# Allegro board P2597_B04_Allegro_layout.brd (continued)
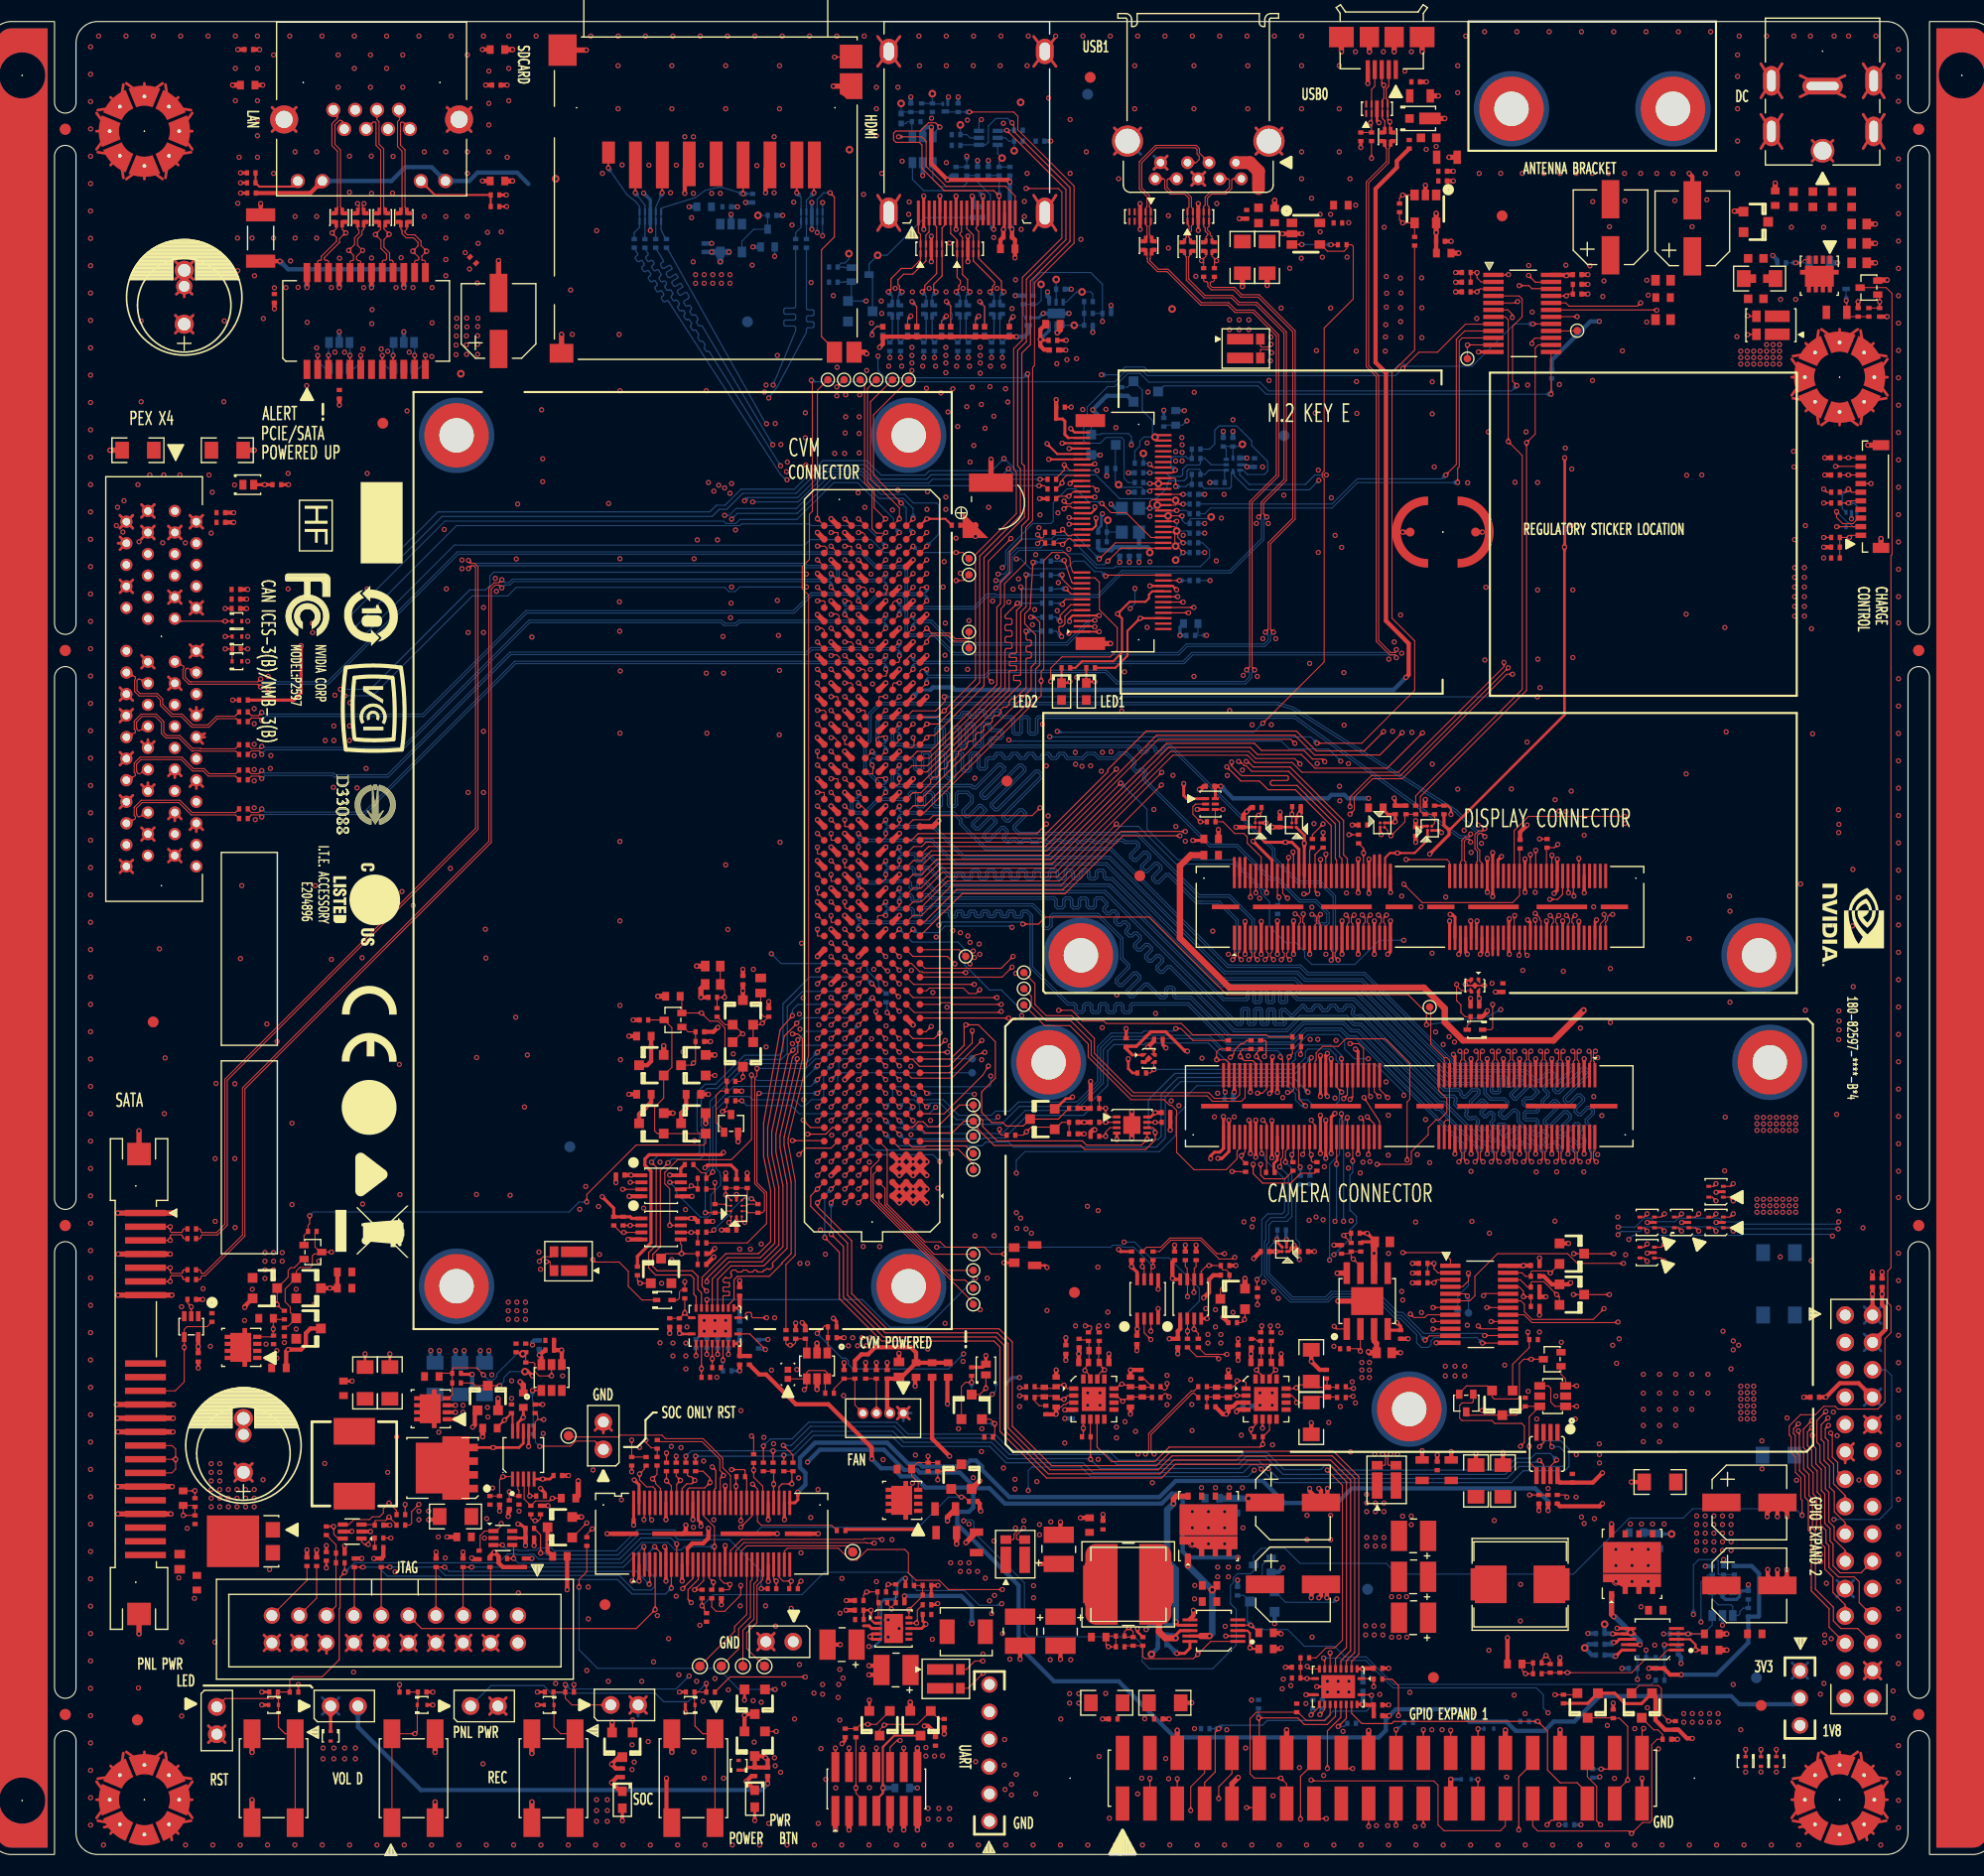
[diagram p0: board, top side]
## Routing (per net, layer and track width the routed paths; a pad name or vN(x,y) marks a point on that pad's centre or on a via; arc(x,y) is an arc through that point) (continued)
BUCK_IO_SNUB: length 2.7
  BOTTOM w0.3: v2(156.22,29.76) R512.2
  BOTTOM w0.6: R512.2 154.92,29.88 C503.1
BUCK_IO_VREG: length 3.3
  TOP w0.2: C171.1 v1(158.45,18.98) 158.45,19.48 157.95,19.98 U31.3
BUCK_IO_VSW: length 2.4
  TOP w0.28: v1(150.85,19.69) 151.08,19.69 151.37,19.98 U31.8
  BOTTOM w0.4: C504.2 150.69,19.52 v1(150.85,19.69)
  vias: v1(151.05,28.33) v1(151.05,26.83) v1(152.55,28.33) v1(152.55,26.83) v1(154.05,28.33) v1(154.05,26.83)
BUCK_LSDR: length 16
  TOP w0.28: v1(110.16,21.6) 110.14,21.58 110.14,21.51 110.37,21.28 U16.7
  TOP w0.5: Q23.6 110.2,33.27 109.95,33.01 v1(109.95,32.57)
  BOTTOM w0.4: R535.1 109.97,21.28 110.14,21.45 110.14,21.58 v1(110.16,21.6)
  BOTTOM w0.6: v1(110.16,21.6) 110.16,26.46 109.36,27.26 109.36,31.98 v1(109.95,32.57)
BUCK_SNUB: length 2.7
  BOTTOM w0.6: C508.1 114.3,33.05 R533.2 v2(116.92,33.05)
BUCK_VREG: length 3.5
  TOP w0.2: U16.3 116.82,20.78 117.05,20.55 v1(117.05,19.18) 117.15,19.08 C120.1
BUCK_VSW: length 9.2
  TOP w0.28: U16.8 110.57,20.78 110.16,20.37 v1(110.16,20.08)
  TOP w0.6: L9.1 108.6,24.98 108.6,20.68 109.2,20.08 v1(110.16,20.08)
  BOTTOM w0.4: v1(110.16,20.08) 109.86,20.38 C513.2
  vias: v1(111.7,31.83) v1(111.7,30.33) v1(113.2,31.83) v1(113.2,30.33) v1(114.7,31.83) v1(114.7,30.33)
CAM0_MCLK: length 57
  TOP w0.1: v1(122.22,69.5) 121.6,70.13 J22.91 ; J13.F9 v1(79.41,70.67)
  L4 w0.1: v1(79.41,70.67) 79.92,71.18 81.05,71.18 82.05,70.18 87.96,70.18 94.88,63.26 v1(95.35,63.26)
  BOTTOM w0.1: v1(95.35,63.26) 95.35,64.45 96.15,65.25 108.65,65.25 110.14,66.74 110.14,68.53 111.06,69.45 111.06,70.31 112.13,71.38 120.52,71.38 121.29,70.61 121.29,70.04 121.82,69.5 v1(122.22,69.5)
CAM0_PWDN: length 61
  TOP w0.1: J22.93 121.1,71 120.86,70.75 v1(120.55,70.75) ; J13.G8 v1(78.14,69.4)
  L3 w0.1: v1(91.05,82.68) 90.65,83.08 89.45,83.08 86.42,80.05 84.24,80.05 83.42,79.23 82.55,79.23 81.85,78.53 81.85,78.45 81.35,77.95 81.35,75.48 80.85,74.98 80.68,74.98 80.68,74.98 78.93,74.98 78.74,74.79 78.74,74.23 78.29,73.78 78.05,73.78 77.55,73.28 77.55,69.99 v1(78.14,69.4)
  L4 w0.1: v1(91.05,82.68) 93.55,80.18 94.87,80.18 94.87,80.18 95.12,80.18 99.35,75.95 100.67,75.95 105.17,71.45 119.85,71.45 v1(120.55,70.75)
CAM0_RST_L: length 63.3
  TOP w0.1: v1(121.75,74.28) 121.8,74.33 R207.1 R206.1 ; 77.5,70.03 v1(76.87,69.4)
  L3 w0.1: v1(76.87,69.4) 77.35,69.88 77.35,73.36 77.97,73.98 78.21,73.98 78.54,74.31 78.54,74.87 78.85,75.18 80.77,75.18 81.15,75.56 81.15,78.03 81.65,78.53 81.65,78.61 82.47,79.43 83.34,79.43 84.17,80.26 86.35,80.26 89.37,83.28 v1(91.45,83.28)
  L4 w0.1: v1(121.75,74.28) 121,73.53 118.47,73.53 116.72,71.78 105.36,71.78 102.75,74.39 102.75,74.39 100.93,76.21 99.5,76.21 95.32,80.38 94.78,80.38 94.78,80.38 93.63,80.38 91.47,82.55 91.45,82.65 v1(91.45,83.28)
CAM1_MCLK: length 56.3
  TOP w0.111: v1(117.35,64.08) 117.35,63.21 118.23,62.33 120.85,62.33 121.77,63.25 123.05,63.25 R209.2 ; J13.F8 v1(79.41,69.4)
  L3 w0.12: v1(117.35,64.08) 116.81,63.54 116.81,59.04 v1(116.5,58.73)
  L4 w0.12: v1(116.5,58.73) 114.99,58.73 114.25,59.47 104.08,59.47 103.36,58.74 99.03,58.74 95.82,61.95 94.74,61.95 88.09,68.59 80.22,68.59 v1(79.41,69.4)
CAM1_MCLK_R: length 2.8
  TOP w0.111: J22.88 122.6,65.13 v1(122.75,64.98) 122.75,64.41 122.88,64.28 R209.1
CAM1_PWDN: length 58.2
  TOP w0.1: v1(121.95,65) 122.1,65.14 J22.90
  TOP w0.111: J13.F7 v1(79.41,68.13)
  L3 w0.1: v1(122.55,58.88) 122.55,59.65 122.84,59.94 122.84,63.45 123.04,63.66 123.04,64.22 122.82,64.43 122.5,64.43 121.95,64.98 v1(121.95,65)
  L4 w0.1: v1(122.55,58.88) 122.36,59.07 118.7,59.07 117.44,57.81 115.02,57.81 113.99,58.84 104.35,58.84 103.53,58.02 98.86,58.02 95.56,61.32 94.47,61.32 88.42,67.37 80.17,67.37 v1(79.41,68.13)
CAM1_RST_L: length 72.5
  TOP w0.1: 77.5,68.76 v1(76.87,68.13)
  L3 w0.1: v1(121.65,55.23) 119.55,53.13 v1(118.35,53.13) ; v1(75.25,54.88) 75.15,54.98 75.15,55.55 75.16,55.56 75.16,63.67 76.87,65.38 v1(76.87,68.13)
  L4 w0.1: v1(75.25,54.88) 75.67,54.45 76.42,54.45 76.99,55.02 87.48,55.02 90.19,52.31 107.8,52.31 108.36,52.87 108.69,52.87 108.97,52.59 117.23,52.59 117.6,52.95 118.17,52.95 v1(118.35,53.13)
  BOTTOM w0.1: R518.1 121.75,62.23 R519.1 121.33,61.81 121.33,57.13 121.66,56.8 121.66,55.24 v1(121.65,55.23)
CAM2_MCLK: length 52.4
  TOP w0.111: v1(118.05,64.08) 118.05,63.08 118.4,62.73 120.3,62.73 R202.1 ; J13.E7 v1(80.68,68.13)
  L3 w0.12: v1(118.05,64.08) 117.35,63.38 v1(117.35,58.98)
  L4 w0.12: v1(80.68,68.13) 81.13,67.68 88.55,67.68 94.6,61.63 95.69,61.63 98.94,58.38 103.45,58.38 104.22,59.15 114.12,59.15 114.99,58.28 116.65,58.28 v1(117.35,58.98)
CAM2_MCLK_R: length 2.4
  TOP w0.111: R202.2 120.95,64.38 v1(120.95,64.98) 121.1,65.13 J22.94
CAM2_PWDN: length 35.1
  TOP w0.1: U28.11 133.72,48.16 v1(133.32,47.75) ; J22.96 120.6,65.54 120.35,65.29 v1(120.35,64.28)
  BOTTOM w0.1: v1(120.35,64.28) 120.95,63.68 120.95,59.23 120.5,58.78 119.15,58.78 118.82,58.45 118.82,56.85 118.62,56.66 118.62,53.83 120.93,51.53 124.21,51.53 124.71,52.03 128.69,52.03 130.68,50.04 131.14,50.04 132.9,48.28 132.9,48.17 v1(133.32,47.75)
CAM2_RST: length 42
  TOP w0.1: J22.98 120.1,64.74 119.93,64.57 119.93,63.96 v1(119.81,63.85) ; U28.13 141,47.48 v1(138.65,47.48)
  BOTTOM w0.1: v1(119.81,63.85) 120.62,63.04 120.62,59.5 120.25,59.13 118.97,59.13 118.52,58.68 118.52,57.03 118.4,56.91 118.4,53.7 118.45,53.63 120.78,51.3 124.31,51.3 124.78,51.77 128.55,51.77 130.54,49.78 131.01,49.78 132.54,48.25 132.54,47.51 132.97,47.08 133.63,47.08 133.88,47.33 133.88,47.69 134.17,47.98 138.15,47.98 v1(138.65,47.48)
CAM_AF_PWDN: length 44.3
  TOP w0.1: J22.85 123.1,73.66 123.21,73.76 123.21,74.44 123.8,75.03 125.25,75.03 125.95,75.73 129.6,75.73 131.9,73.43 131.9,70.11 131.65,69.86 v1(131.65,64.48) ; v1(139.45,49.48) 141,49.48 U28.16
  L3 w0.1: v1(131.65,64.48) 131.65,56.95 132.56,56.04 137.8,56.04 138.17,55.67 138.17,50.76 v1(139.45,49.48)
CAM_AVDD_CAM_EN: length 133.4
  TOP w0.1: R215.1 127.07,46.95 v1(127.31,46.71) U23.2 ; U29.18 145.05,142.78 v1(147.45,142.78)
  L3 w0.1: v1(147.45,142.78) 145.41,142.78 145.06,142.43 145.06,137.9 147.7,135.25 147.7,97.87 150.53,95.05 150.53,89.54 152.09,87.98 152.09,68.85 150.5,67.27 150.5,66.02 150.69,65.84 150.69,59.04 151.05,58.68 151.65,58.68 152.67,57.66 152.67,48.36 151.58,47.26 150.77,47.26 v1(150.75,47.28)
  L4 w0.1: v1(150.75,47.28) 150.45,46.98 145,46.98 144.81,47.17 142.19,47.17 142,46.98 131.97,46.98 131.88,47.08 127.68,47.08 v1(127.31,46.71)
CAM_DVDD_CAM_LV_1V5_EN: length 2.4
  TOP w0.1: TP33.1 147.42,141.46 U29.16
CAM_FSIN_INT: length 4.4
  TOP w0.1: R189.1 114.25,74.78 113.95,74.48 v1(113.95,73.78) 114.85,73.78 115.1,73.53 J22.117
CAM_GYRO_INT: length 2.7
  TOP w0.1: J22.112 116.6,65.23 v1(116.25,64.88) 116.25,64.58 R192.2
CAM_I2C_SCL: length 52.2
  TOP w0.111: J22.75 125.6,73.83 v1(125.55,73.88) ; J13.C6 v1(84.49,66.86)
  BOTTOM w0.111: v1(125.55,73.88) 125.55,74.21 124.61,75.16 122.05,75.16 121.27,74.38 121.27,73.83 120.82,73.38 115.15,73.38 113.19,75.34 107.39,75.34 107.25,75.19 104.42,75.19 103.83,74.61 103.83,71.41 102.31,69.88 102.31,69.34 101.6,68.63 96.36,68.63 94.26,66.52 92.33,66.52 92.24,66.43 84.91,66.43 v1(84.49,66.86)
CAM_I2C_SDA: length 52.5
  TOP w0.111: J22.77 125.1,71.25 v1(125.57,70.78) ; J13.D6 v1(83.22,66.86)
  BOTTOM w0.111: v1(83.22,66.86) 84.28,65.8 92.16,65.8 92.5,66.14 94.62,66.14 95.08,65.68 108.35,65.68 109.18,66.51 109.18,70.32 110.62,71.76 120.67,71.76 121.66,70.77 121.66,70.24 121.85,70.05 122.43,70.05 122.86,69.63 125,69.63 125.35,69.98 125.35,70.55 v1(125.57,70.78)
CAM_IR_EN: length 31.7
  TOP w0.1: TP30.1 97.97,76.95 100.32,76.95 102.02,75.25 102.02,74.05 106,70.08 109.07,70.08 109.6,69.55 109.77,69.55 110.24,69.09 110.24,65.19 111.85,63.58 114.85,63.58 115.85,64.58 115.85,65.29 116.1,65.54 J22.114
CAM_UART1_CTS: length 41.2
  TOP w0.1: v1(114.15,46.02) 113.93,46.23 112.1,46.23 R175.1 ; J22.65 128.1,70.52 v1(128.26,70.37)
  L3 w0.1: v1(114.15,46.02) 114.53,46.39 114.53,46.59 115.27,47.34 115.27,48.63 115.78,49.13 116.6,49.13 118.28,50.81 122.28,50.81 124.15,52.68 127.51,52.68 129.25,54.42 129.25,67.86 128.26,68.85 v1(128.26,70.37)
CAM_UART1_PSNT_L: length 40
  TOP w0.1: Q24.1 116.59,49.7 v1(116.55,49.66) 116.27,49.38 R190.2 ; v1(128.85,64.08) 131.95,64.08 132.05,64.18 132.05,65.26 133.61,66.82 133.61,67.48 134.34,68.21 134.64,68.21 135.34,68.91 135.34,70.18 134.6,70.92 J22.59
  L3 w0.1: v1(128.85,64.08) 129.05,63.88 129.05,54.55 127.44,52.93 124.02,52.93 122.13,51.04 118.75,51.04 118.33,51.47 117.57,51.47 117.16,51.05 117.16,50.27 v1(116.55,49.66)
CAM_UART1_RTS: length 50.9
  TOP w0.1: J22.67 127.6,74.83 127.15,75.28 v1(126.35,75.28) ; R165.1 107.45,56.38 108.77,56.38 109.62,57.23 112.53,57.23 113.98,55.78 v1(114.7,55.78)
  L3 w0.1: v1(114.7,55.78) 115.15,56.23 115.15,62.43 114.9,62.68 113.76,62.68 110.05,66.39 110.05,68.81 109.74,69.12 v1(109.74,69.97)
  L4 w0.1: v1(109.74,69.97) 118.36,69.97 118.72,69.61 121.2,69.61 122,70.41 122,73.88 122.54,74.42 125.55,75.28 v1(126.35,75.28)
CAM_UART1_RXD: length 40
  TOP w0.1: J22.63 128.6,70.83 v1(129.05,70.38) ; v1(114.92,46.43) 112.9,46.43 R178.1
  L3 w0.1: v1(129.05,70.38) 129.05,70.22 129.34,69.94 129.34,68.27 129.45,68.15 129.45,54.28 127.59,52.42 124.32,52.42 122.5,50.6 118.37,50.6 116.61,48.85 115.91,48.85 115.52,48.46 115.52,47.04 v1(114.92,46.43)
CAM_UART1_TXD: length 48.9
  TOP w0.1: J22.61 129.1,71.03 v1(129.85,70.28) ; v1(115.65,55.44) 115.49,55.29 114.19,55.29 112.45,57.03 109.7,57.03 108.65,55.98 R168.1
  L3 w0.1: v1(110.45,69.53) 110.45,66.4 113.87,62.98 115.13,62.98 115.42,62.68 115.42,55.66 v1(115.65,55.44)
  L4 w0.1: v1(110.45,69.53) 110.48,69.56 118.33,69.56 118.61,69.28 121.28,69.28 122.38,70.39 122.61,70.39 123.48,71.26 125.79,71.26 126.24,70.81 129.32,70.81 v1(129.85,70.28)
CAM_UART_DIR: length 6.7
  TOP w0.1: Q24.3 114.31,52.54 115.15,53.38 R188.1 115.15,53.98 114.85,54.28 114.55,54.28 114.45,54.38 114.45,54.58 R187.1 v1(113.25,54.68) 113.05,54.68 112.52,54.16 U14.5
CAM_VDD_1V2_EN: length 58.6
  TOP w0.1: U28.15 138.53,48.8 v1(138.26,49.07) ; U13.3 v1(108.13,72.88) 107.8,72.55 R164.1
  L3 w0.1: v1(131.35,70.48) 131.57,70.25 131.57,65.33 131.25,65 131.25,56.98 132.39,55.84 137.72,55.84 137.97,55.59 137.97,49.36 v1(138.26,49.07)
  BOTTOM w0.1: v1(131.35,70.48) 131.35,70.74 128.71,73.38 125.45,73.38 125.05,73.78 125.05,74.18 124.45,74.78 122.45,74.78 122.2,74.53 122.2,73.98 121.11,72.89 108.14,72.89 v1(108.13,72.88)
CAM_VDD_1V8_EN: length 30.3
  TOP w0.1: v1(138.85,48.18) 141,48.18 U28.14
  TOP w0.25: v1(119.55,57.08) 119.55,56.88 U19.B2
  BOTTOM w0.1: v1(138.85,48.18) 138.65,48.38 133.2,48.38 131.24,50.34 130.8,50.34 128.86,52.28 124.6,52.28 124.08,51.76 121.02,51.76 118.85,53.93 118.85,56.38 v1(119.55,57.08) 119.6,57.13 R520.1
CAM_VSYNC: length 59.3
  TOP w0.111: J22.86 123.1,67.73 122.75,68.08 v1(122.75,68.18) ; J13.E8 v1(80.68,69.4)
  L3 w0.12: v1(123.2,59.18) 123.15,59.23 123.15,63.33 123.35,63.53 123.35,64.34 123.16,64.53 123.16,67.77 v1(122.75,68.18)
  L4 w0.12: v1(80.68,69.4) 81.14,68.94 88.2,68.94 94.87,62.27 95.96,62.27 99.16,59.07 103.23,59.07 103.95,59.79 114.39,59.79 114.8,59.38 123,59.38 v1(123.2,59.18)
CAN0_ERR: length 124.3
  TOP w0.111: D26.4 160.1,62.03 v1(160.35,62.28) ; J13.E18 v1(80.68,82.1)
  L4 w0.12: v1(80.68,82.1) 83.1,84.52 86.65,84.52 95.41,75.77 95.41,72.31 97.13,70.59 97.68,70.59 100.74,67.53 102.24,67.53 102.43,67.71 102.85,67.71 103.04,67.53 108.65,67.53 109.52,68.4 112.48,68.4 113.16,67.73 150.51,67.73 151.22,68.44 152.56,68.44 158.71,62.28 v1(160.35,62.28) 161.02,61.61 161.02,60.83 161.6,60.26 162.3,60.26 162.7,59.86 162.7,58.64 163.16,58.17 163.16,57 170.18,49.99 170.18,48.07 171.97,46.28 172.65,46.28 173.65,45.28 173.65,41.22 J26.9
CAN0_RX: length 117.7
  TOP w0.111: J13.D18 83.29,82.03 v1(83.4,82.03) ; v1(160.35,60.68) 160,61.03 D26.5
  L4 w0.12: J26.5 172.35,45.42 169.84,47.94 169.84,49.84 162.84,56.83 162.84,58.03 162.37,58.5 162.37,59.74 162.17,59.93 161.45,59.93 160.71,60.68 v1(160.35,60.68) 159.71,61.32 159.22,61.32 152.42,68.12 151.35,68.12 150.65,67.41 113.02,67.41 112.35,68.08 111.28,68.08 109,65.8 101.47,65.8 100.44,66.83 100.44,67.36 97.53,70.27 97,70.27 95.09,72.18 95.09,75.64 86.52,84.2 83.27,84.2 82.55,83.48 82.55,82.88 v1(83.4,82.03)
CAN0_STBY: length 118
  TOP w0.111: v1(161.95,60.68) 161.6,61.03 D26.1 ; J13.E17 v1(80.68,80.83)
  L4 w0.12: J26.3 171.19,47.54 170.53,48.2 170.53,50.12 163.51,57.14 163.51,58.35 163.02,58.83 163.02,60.02 162.36,60.68 v1(161.95,60.68) 161.38,61.25 161.38,61.85 160.51,62.72 158.73,62.72 152.22,69.23 123.52,69.23 122.94,68.65 118.31,68.65 118.03,68.93 111.3,68.93 111.09,68.72 109.12,68.72 108.8,68.41 100.34,68.41 97.83,70.91 97.27,70.91 95.73,72.45 95.73,75.9 86.79,84.84 82.86,84.84 82.81,84.84 80.27,82.3 80.27,81.24 v1(80.68,80.83)
CAN0_TX: length 116
  TOP w0.111: D25.3 161.65,59.18 v1(161.95,59.48) ; J13.D19 v1(83.22,83.37)
  L4 w0.12: J26.7 171.15,43.66 171.15,46.07 169.47,47.76 169.47,49.73 162.48,56.71 162.48,57.92 161.95,58.45 v1(161.95,59.48) 161.41,59.48 160.62,60.27 160.02,60.27 159.3,60.99 158.67,60.99 154.18,65.48 151.48,65.48 149.87,67.09 113.91,67.09 112.3,65.48 101.33,65.48 100.11,66.7 100.11,67.21 97.38,69.95 96.87,69.95 94.77,72.05 94.77,75.5 86.39,83.88 83.73,83.88 v1(83.22,83.37)
CAN1_ERR: length 129.7
  TOP w0.111: v1(161.95,57.88) 161.65,58.18 D25.1 ; v1(170.55,41.13) 169.72,40.3 169.72,38.27 170.01,37.98 170.01,36.42 170.51,35.92 170.51,33.95 170.83,33.63 170.83,30.91 171.32,30.41 171.32,29.26 172.35,28.24 J26.19 ; J13.C19 v1(84.49,83.37)
  L4 w0.12: v1(170.55,41.13) 169.95,41.73 169.95,43.68 169.09,44.53 169.09,49.6 161.95,56.75 v1(161.95,57.88) 161.12,58.71 161.12,59.31 160.51,59.92 159.91,59.92 159.17,60.66 158.51,60.66 154.09,65.09 151.38,65.09 149.7,66.77 114.04,66.77 112.44,65.16 101.2,65.16 99.73,66.63 99.73,67.12 97.22,69.63 96.73,69.63 94.44,71.91 94.44,75.37 86.33,83.48 84.6,83.48 v1(84.49,83.37)
CAN1_RX: length 123.9
  TOP w0.111: J26.15 172.35,33.33 171.27,34.41 171.27,36.23 170.77,36.74 170.77,38.42 170.5,38.69 170.5,39.53 v1(170.8,39.83) ; D25.5 160.05,58.18 v1(160.35,57.88) ; J13.D17 v1(83.22,80.83)
  L4 w0.12: v1(170.8,39.83) 170.42,40.21 170.37,40.21 169.3,41.27 169.3,43.32 168.45,44.18 168.45,49.28 160.35,57.38 v1(160.35,57.88) 159.89,57.88 159.22,58.55 159.22,59.67 158.92,59.97 158.26,59.97 153.88,64.35 151.15,64.35 149.38,66.12 114.31,66.12 112.7,64.52 100.93,64.52 99.08,66.38 99.08,66.86 96.95,68.98 96.47,68.98 93.8,71.65 93.8,75.1 87.57,81.34 83.73,81.34 v1(83.22,80.83)
CAN1_STBY: length 119.1
  TOP w0.111: J13.C17 v1(84.49,80.83) ; v1(158.75,59.48) 158.45,59.18 D22.3 ; v1(171,39.13) 171.15,38.98 171.15,36.9 171.65,36.39 171.65,35.54 J26.13
  L4 w0.12: v1(171,39.13) 170.75,39.13 170.15,39.73 170.15,39.97 168.98,41.14 168.98,43.19 168.13,44.04 168.13,49.09 158.75,58.47 v1(158.75,59.48) 158.29,59.48 153.75,64.01 151.04,64.01 149.25,65.8 115.85,65.8 114.22,64.18 100.82,64.18 98.75,66.24 98.75,66.73 96.82,68.66 96.33,68.66 93.4,71.6 93.4,75.03 87.6,80.83 v1(84.49,80.83)
CAN1_TX: length 125.9
  TOP w0.111: v1(170.75,40.53) 170.12,39.9 170.12,38.53 170.39,38.26 170.39,36.58 170.89,36.08 170.89,34.11 171.34,33.66 171.34,31.82 172.35,30.8 J26.17 ; D25.4 160.05,59.18 v1(160.35,59.48) ; J13.C18 v1(84.49,82.1)
  L4 w0.12: v1(170.75,40.53) 170.5,40.53 169.62,41.41 169.62,43.55 168.77,44.4 168.77,49.42 160.78,57.41 160.78,59.05 v1(160.35,59.48) 159.88,59.48 159.03,60.33 158.39,60.33 154.01,64.71 151.25,64.71 149.51,66.45 114.18,66.45 112.57,64.84 101.07,64.84 99.4,66.51 99.4,67 97.09,69.31 96.6,69.31 94.12,71.78 94.12,75.24 87.68,81.68 84.91,81.68 v1(84.49,82.1)
CAN_WAKE: length 111.9
  TOP w0.111: v1(161.95,62.28) 161.7,62.03 D26.3 ; J13.C20 v1(84.49,85.91)
  L4 w0.12: v1(95.85,77.88) 96.05,77.68 96.05,72.58 97.38,71.25 97.95,71.25 100.48,68.73 104.75,68.73 105.47,69.45 108.7,69.45 109.11,69.04 110.91,69.04 111.12,69.25 118.2,69.25 118.48,68.97 122.81,68.97 123.39,69.55 152.35,69.55 158.81,63.09 160.59,63.09 161.4,62.28 v1(161.95,62.28) 161.95,61.57 163.39,60.13 163.39,58.92 163.85,58.46 163.85,57.25 171.02,50.08 J26.1
  BOTTOM w0.111: v1(84.49,85.91) 85.68,84.72 89.91,84.72 90.56,84.06 90.56,82.57 92.87,80.26 93.96,80.26 95.85,78.37 v1(95.85,77.88)
CARRIER_PWR_ON: length 224.7
  TOP w0.1: Q11.1 v1(67.35,72.33) ; J13.A48 v1(87.03,121.47)
  L3 w0.1: v1(74.44,22.85) 74.96,23.38 74.96,28.38 75.63,29.05 75.63,33.05 76.34,33.77 76.34,34.65 76.34,34.65 76.34,35.44 76.34,35.44 76.34,37.03 72.79,40.58 71.63,41.73 71.63,49.34 71.44,49.53 71.44,50.34 74.21,53.11 74.21,64.82 67.35,71.68 v1(67.35,72.33) 68.53,73.5 68.53,76.86 70.52,78.86 70.52,82.71 70.41,82.82 70.41,90.8 69.36,91.86 69.36,122.19 68.25,123.3 v1(68.25,124.33)
  L4 w0.1: v1(74.44,22.85) 76.67,22.85 77.93,24.11 79.88,24.11 80.74,23.25 86.32,23.25 87.22,24.16 91.48,24.16 92.49,23.14 93.21,23.14 94.46,24.38 95.42,24.38 95.53,24.49 112.73,24.49 113.95,23.27 121.5,23.27 122.07,22.7 151.58,22.7 153.8,20.48 v1(155.48,20.48)
  BOTTOM w0.1: v1(87.03,121.47) 88.15,122.59 88.15,125.28 87.95,125.48 85.78,125.48 84.98,126.28 82.76,126.28 80.92,128.12 78.08,128.12 74.93,124.97 69.32,124.97 68.68,124.33 v1(68.25,124.33) ; v1(155.48,20.48) R507.1
CGND: length 80.5
  TOP w0.254: J5.14 44.7,162.21 ; J5.14 42.46,159.97 ; J5.14 44.7,159.97 ; J5.14 42.46,162.21 ; 26.21,162.21 J5.13 ; J5.13 26.21,159.97 ; J5.13 28.45,162.21 ; J5.13 28.45,159.97
  TOP w0.4: R46.2 v1(45.75,167.58) ; C27.2 v1(25.15,153.28) ; R47.2 v1(45.75,155.38) ; R8.2 v1(25.35,164.28) ; R45.2 v1(46.05,164.28) ; C205.2 v1(25.05,167.58)
  L2 w0.254: J5.14 44.7,159.97 ; J5.14 42.46,162.21 ; J5.14 44.7,162.21 ; J5.14 42.46,159.97 ; 26.21,159.97 J5.13 ; J5.13 26.21,162.21 ; J5.13 28.45,162.21 ; J5.13 28.45,159.97
  L3 w0.254: J5.14 44.7,159.97 ; J5.14 44.7,162.21 ; J5.14 42.46,159.97 ; J5.14 42.46,162.21 ; 26.21,159.97 J5.13 ; J5.13 28.45,159.97 ; J5.13 26.21,162.21 ; J5.13 28.45,162.21
  L4 w0.254: 42.46,159.97 J5.14 ; J5.14 44.7,159.97 ; J5.14 44.7,162.21 ; J5.14 42.46,162.21 ; J5.13 28.45,159.97 ; J5.13 26.21,162.21 ; J5.13 26.21,159.97 ; J5.13 28.45,162.21
  L5 w0.254: 26.21,162.21 J5.13 ; J5.13 26.21,159.97 ; J5.13 28.45,162.21 ; J5.13 28.45,159.97 ; 42.46,162.21 J5.14 ; J5.14 44.7,162.21 ; J5.14 42.46,159.97 ; J5.14 44.7,159.97
  BOTTOM w0.254: J5.14 44.7,162.21 ; J5.14 42.46,159.97 ; J5.14 44.7,159.97 ; J5.14 42.46,162.21 ; 26.21,159.97 J5.13 ; J5.13 28.45,159.97 ; J5.13 26.21,162.21 ; J5.13 28.45,162.21
  vias: v1(24.35,150.08) v1(24.57,146.58) v1(24.85,168.83) v1(24.85,165.83) v1(24.85,162.83) v1(24.85,161.08) v1(24.85,159.58) v1(24.85,157.58) v1(26.35,167.08) v1(26.35,156.08) v1(26.35,150.08) v1(26.42,145.46) v1(27.5,145.48) v1(27.85,168.83) v1(27.92,147.96) v1(28.35,158.08) v1(28.35,152.08) v1(28.35,150.08) v1(28.62,145.51) v1(30.35,158.08) v1(30.35,152.08) v1(30.35,150.08) v1(30.85,168.83) v1(31.73,145.48) v1(32.35,167.08) v1(32.35,164.08) v1(32.48,148.21) v1(33.4,157.68) v1(33.4,154.33) v1(33.85,168.83) v1(33.85,165.83) v1(34.73,145.48) v1(35.35,167.08) v1(35.35,164.08) v1(35.42,157.68) v1(35.45,154.23) v1(35.45,148.23) v1(36.85,168.83) v1(36.85,165.83) v1(37.45,157.66) v1(37.4,154.26) v1(37.73,145.48) v1(38.2,148.26) v1(38.35,167.08) v1(38.35,164.08) v1(39.3,145.48) v1(39.85,168.83) v1(40.35,158.08) v1(40.35,152.08) v1(41.08,145.48) v1(42.35,158.08) v1(42.35,152.08) v1(42.35,150.08) v1(42.35,148.08) v1(42.35,146.58) v1(42.85,168.83) v1(44.15,148.73) v1(44.35,167.08) v1(44.35,158.08) v1(44.35,156.08) v1(44.35,152.08) v1(45.35,149.58) v1(45.85,168.83) v1(46.23,150.61) v1(46.35,165.58) v1(46.35,162.58) v1(46.35,160.58) v1(46.35,158.08)
CHARGING: length 166.2
  TOP w0.1: J13.A7 88.63,68.76 92.25,72.38 v1(92.75,73.2) ; J27.2 v1(171.55,123.28)
  L3 w0.1: v1(135.24,88.89) 132.42,91.71 130.43,91.71 127.34,94.8 127.34,95.72 126.88,96.19 126.16,96.19 125.93,96.42 125.93,100.6 125.49,101.04 v1(125.49,101.52) ; v1(94.65,103.48) 92.95,101.78 92.95,73.41 v1(92.75,73.2) ; v1(171.55,123.28) 172,122.83 172,121.89 172.54,121.35 172.54,98.95 171.13,97.54 171.13,96.27 v1(171.77,95.64)
  L4 w0.1: v1(171.77,95.64) 171.61,95.64 164.35,88.38 155.27,88.38 149.87,82.98 141.13,82.98 138.53,85.58 137.45,85.58 136.75,86.28 136.75,87.38 v1(135.24,88.89)
  BOTTOM w0.1: v1(94.65,103.48) 94.76,103.37 119.98,103.37 120.72,102.63 124.37,102.63 v1(125.49,101.52) ; v1(171.55,123.28) 172.4,123.28 D34.5
CHG_BD_PRSNT_L: length 116.6
  TOP w0.1: U28.17 142.53,50.1 143.25,49.38 151.2,49.38 v1(151.25,49.43) ; R266.2 v1(172.65,129.68) J27.10
  L3 w0.1: v1(151.25,57.55) 150.92,57.22 150.92,56.31 151.25,55.98 v1(151.25,49.43) ; v1(172.65,129.68) 174.14,128.19 174.14,97.56 173.46,96.87 173.46,94.31 172.15,93 172.15,80.12 174.14,78.12 174.14,60.52 v1(171.7,58.08)
  BOTTOM w0.1: v1(151.25,57.55) 151.54,57.84 153.27,57.84 153.7,58.27 162.44,58.27 162.63,58.08 v1(171.7,58.08)
CHG_OC_L: length 249.5
  TOP w0.1: J27.7 v1(174.75,127.28) ; J13.C8 v1(84.49,69.4) ; R145.2 v1(100.45,134.38)
  L3 w0.1: v1(174.75,127.28) 174.36,126.89 174.36,97.3 173.79,96.73 173.79,94.09 172.5,92.8 172.5,80.24 174.41,78.33 174.41,60.15 171.68,57.42 v1(171.17,57.42)
  L4 w0.1: v1(87.85,69.38) 88.2,69.38 95,62.58 96.08,62.58 99.28,59.38 103.1,59.38 103.82,60.1 114.52,60.1 114.93,59.69 123.49,59.69 123.57,59.6 151.73,59.6 152.69,58.65 152.69,57.54 v1(152.25,57.1) ; v1(174.75,127.28) 174.25,127.78 174.25,129.23 172.7,130.78 168.59,130.78 164.69,134.68 100.75,134.68 v1(100.45,134.38)
  BOTTOM w0.1: v1(152.25,57.1) 152.63,57.48 162.73,57.48 162.83,57.58 171.01,57.58 v1(171.17,57.42) ; v1(87.85,69.38) 87.25,68.78 86.75,68.78 86.35,69.18 86.35,69.58 85.85,70.08 85.17,70.08 v1(84.49,69.4)
CON_CSI_A_CLK_N: length 84
  TOP w0.101: v1(78.14,94.8) 78.14,94.21 78.19,94.16 J13.G27 ; J22.9 147.1,73.65 147.24,73.79 147.24,74.39 v1(147.05,74.58)
  L4 w0.101: v1(147.05,74.58) 147.16,74.69 147.16,74.77 147.15,74.8 147.12,74.83 147.1,74.86 146.53,75.43 140.26,81.7 140.02,81.94 135.34,81.94 134.96,81.92 134.86,81.82 134.87,81.69 134.63,81.43 134.11,81.41 133.85,81.64 133.85,81.78 133.74,81.87 121.15,81.38 120.24,80.46 114.33,80.46 111.92,82.87 111.92,83.68 105.54,90.06 103.97,91.64 96.9,91.64 93.23,95.31 78.1,95.31 78.05,95.26 78.05,94.85 78.1,94.8 v1(78.14,94.8)
CON_CSI_A_CLK_P: length 84
  TOP w0.101: v1(147.65,74.58) 147.46,74.39 147.46,73.79 147.6,73.65 J22.7 ; J13.G28 v1(78.14,96.07)
  L4 w0.101: v1(147.65,74.58) 147.65,74.66 147.32,74.99 147.29,75.02 146.63,75.69 146.63,75.69 140.51,81.8 140.51,81.81 140.13,82.19 135.32,82.19 134.84,82.17 134.6,81.91 134.61,81.78 134.51,81.68 134.2,81.66 134.1,81.76 134.09,81.89 133.84,82.13 121.04,81.62 120.13,80.71 114.43,80.71 112.17,82.97 112.17,83.79 105.65,90.31 105.65,90.31 104.07,91.89 97.01,91.89 93.33,95.56 93.13,95.56 93.12,95.56 78.24,95.56 78.14,95.66 v1(78.14,96.07)
CON_CSI_A_D0_N: length 84.1
  TOP w0.101: J22.3 148.65,72.4 148.65,73.58 148.74,73.67 148.74,74.53 148.69,74.58 v1(148.55,74.58) ; v1(79.41,96.07) 79.41,95.48 79.46,95.43 J13.F28
  L4 w0.101: v1(79.41,96.07) 79.41,96.53 79.46,96.58 84.36,96.58 93.32,96.15 97.18,92.29 103.15,92.29 103.15,92.29 103.36,92.29 103.36,92.29 104.23,92.29 104.31,92.22 105.81,90.72 107.01,89.52 112.07,84.46 112.48,84.06 112.67,83.86 112.67,83.04 114.6,81.11 119.96,81.11 120.88,82.03 135.15,82.59 135.16,82.59 140.29,82.59 147.66,75.23 148.24,75.23 148.7,74.77 148.7,74.63 148.65,74.58 v1(148.55,74.58)
CON_CSI_A_D0_P: length 86.7
  TOP w0.101: v1(149.15,74.58) 149.01,74.58 148.96,74.53 148.96,73.67 149.05,73.58 149.05,72.4 J22.1 ; J13.F29 v1(79.41,97.34)
  L4 w0.101: 114.7,81.37 113.31,82.76 112.93,83.15 ; 114.7,81.37 112.93,83.15 ; 114.7,81.37 119.86,81.37 120.77,82.28 135.04,82.83 135.05,82.84 140.4,82.84 147.76,75.48 148.35,75.48 148.95,74.88 148.95,74.63 149,74.58 v1(149.15,74.58) ; 112.93,83.15 112.93,83.97 112.58,84.31 112.25,84.64 107.18,89.7 105.92,90.97 105.92,90.97 104.41,92.47 104.34,92.55 103.25,92.55 103.25,92.55 103.04,92.55 103.04,92.55 97.29,92.55 93.43,96.4 87.95,96.66 84.37,96.83 79.6,96.83 79.41,97.02 v1(79.41,97.34)
CON_CSI_A_D1_N: length 84
  TOP w0.101: 77.5,92.89 76.92,92.89 76.87,92.94 v1(76.87,93.53) ; v1(145.55,74.58) 145.74,74.39 145.74,73.79 145.6,73.65 J22.15
  L4 w0.101: v1(76.87,93.53) 76.87,93.94 76.97,94.04 93.57,94.04 96.63,90.98 103.69,90.98 111.15,83.52 111.15,82.71 111.27,82.59 111.27,82.59 114.06,79.8 120.51,79.8 121.43,80.73 127.4,80.96 133.37,81.19 133.86,80.74 134.93,80.78 135.39,81.28 137.47,81.28 137.82,80.93 138.33,80.93 138.68,81.28 139.75,81.28 143.08,77.95 143.08,77.65 143.51,77.22 143.81,77.22 144.15,76.88 144.15,76.58 144.59,76.14 144.89,76.14 145.72,75.31 145.72,74.75 v1(145.55,74.58)
CON_CSI_A_D1_P: length 84.1
  TOP w0.101: J22.13 146.1,73.64 145.96,73.79 145.96,74.39 v1(146.15,74.58) ; v1(76.87,94.8) 77.5,94.16
  L4 w0.101: v1(146.15,74.58) 145.97,74.76 145.97,75.41 144.99,76.39 144.69,76.39 144.41,76.68 144.41,76.98 143.92,77.47 143.62,77.47 143.33,77.76 143.33,78.06 139.85,81.53 138.58,81.53 138.23,81.18 137.92,81.18 137.57,81.53 135.34,81.53 135.27,81.53 134.81,81.03 133.96,81 133.54,81.38 133.47,81.45 133.46,81.45 121.32,80.98 120.64,80.29 120.41,80.06 114.16,80.06 111.52,82.7 111.4,82.81 111.4,83.63 103.8,91.23 96.73,91.23 93.68,94.29 93.47,94.29 93.47,94.29 76.97,94.29 76.87,94.39 v1(76.87,94.8)
CON_CSI_B_CLK_N: length 98.4
  TOP w0.101: J22.10 147.1,65.32 147.1,65.31 147.24,65.17 147.24,64.58 v1(146.97,64.31) ; J13.D27 82.88,94.16 83.22,94.5 v1(83.22,94.8)